# Altium PCB CAN2XG.PcbDoc (part 2 of 2)
Units mil, origin at the board's own origin, x right, y up, seen from the top; angles counter-clockwise.
Board outline 2559.06 x 1653.54 mil, 2 copper layers (Top Layer, Bottom Layer), stack 61.89 mil thick; 125 components, 90 nets, 389 pads, 453 vias.
Unrouted connection lines stored in the file: 85.
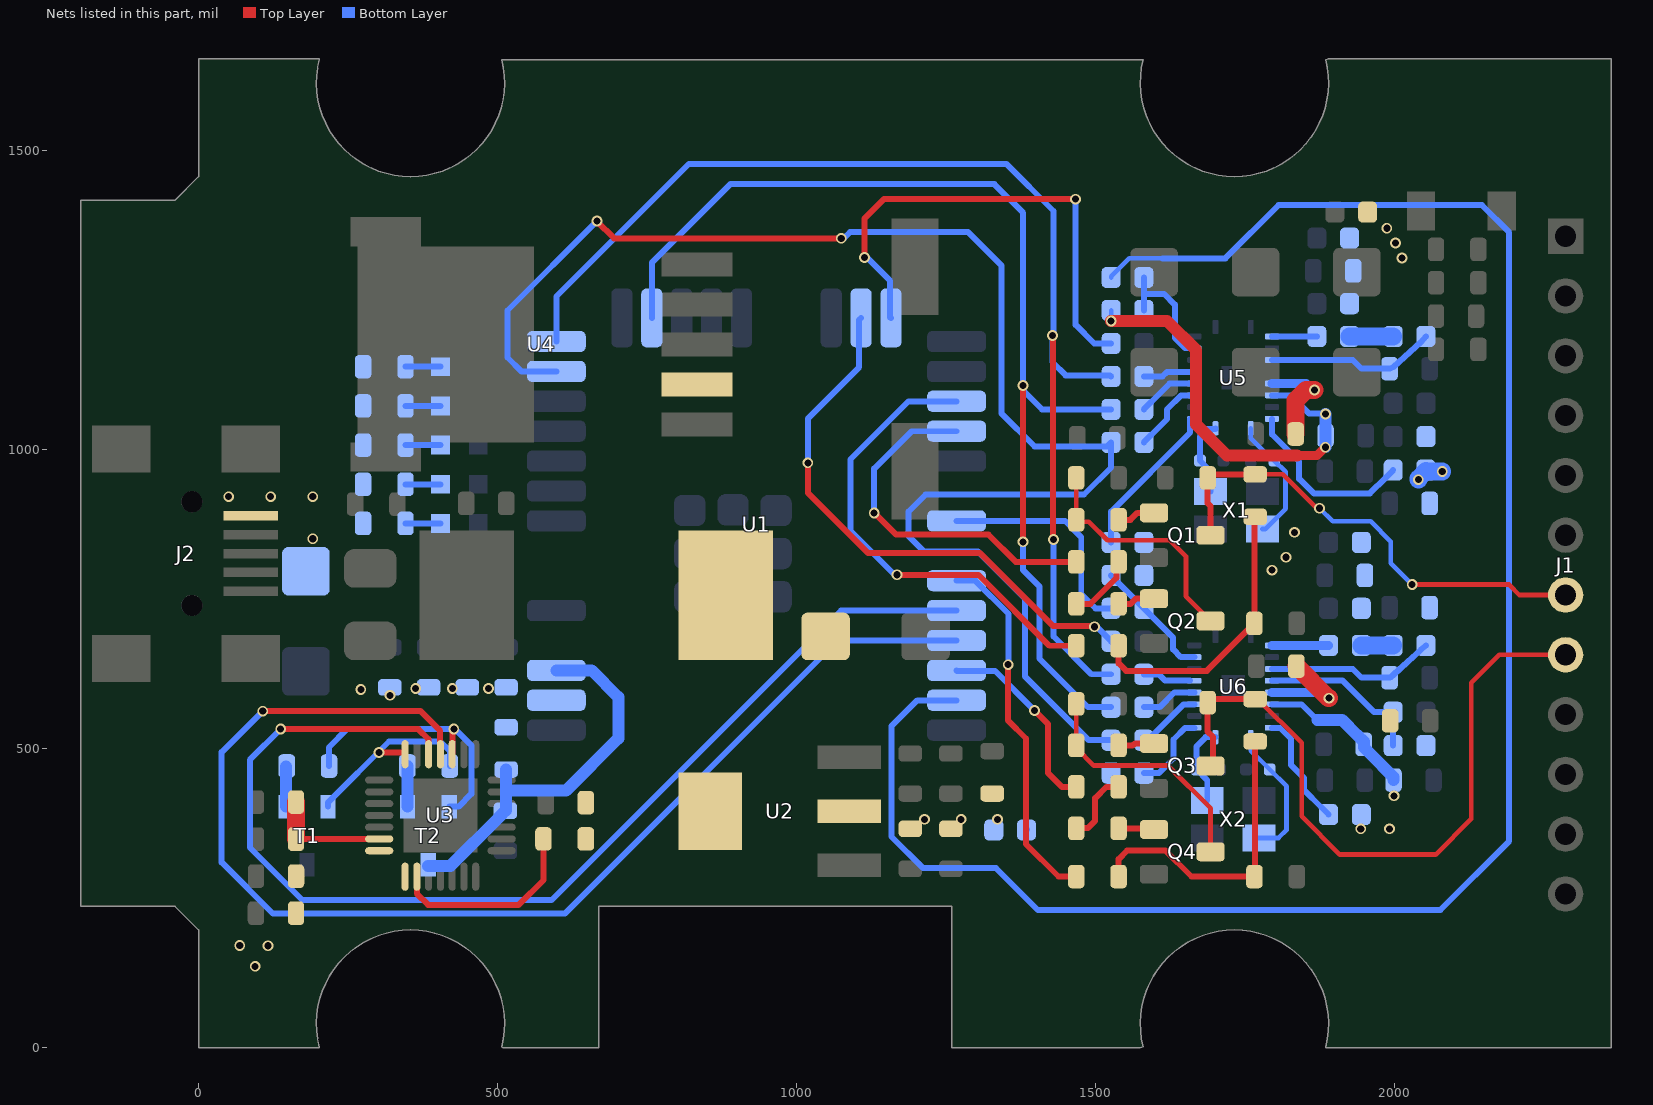
[diagram p2: the nets of this part, all layers, seen from the top]

## Via types
v1: diameter 17.99, hole 11.81, Top Layer to Bottom Layer, tented both sides, 453 vias

## Nets (pads, with @x,y where several pads share a name; then routed paths per layer and width w, separated by ;. In a path a pad name is that pad's centre, name@x,y a point inside that pad or via, vN(x,y) a via of type N, cw(c..) or ccw(c..) an arc to the next point about the centre after c; other vN are vias at no path point) (continued)
INH_1: R51.2 R58.2 U6.15 | length 280.4
  Bottom Layer w10: U6.15@1795.07,613.63 1913.27,613.63 1965.91,560.99 R58.2@1997.79,560.99 R51.2@1997.79,505.15
INT: R41.1 R46.1 U5.8 | length 209.7
  Bottom Layer w10: R46.1@1580.83,1232.84 1580.83,1260.41 ; R41.1@1580.83,1287.98 1580.83,1260.41 ; U5.8@1665.15,1169.68 1649.68,1169.68 1632.66,1186.7 1632.66,1242.49 1614.74,1260.41 1580.83,1260.41
INT_0: R41.2 U1.37 | length 3197
  Bottom Layer w7.87: R41.2@1526.11,1287.98 1526.11,1289.75 1556.36,1320 1611.61,1320
  Bottom Layer w10: U1.37@1267.5,580.86 1201.91,580.86 1158.6,537.56 1158.6,353.11 1211.56,300.15 1333.64,300.15 1403.49,230.29 2076.78,230.29 2191.79,345.3 2191.79,1363.45 2146.01,1409.22 1806.22,1409.22 1717,1320 1611.61,1320
INT_1: R52.1 R60.1 U6.8 | length 207.5
  Bottom Layer w10: R60.1@1526.11,789.85 1526.11,789.45 R52.1@1580.83,734.72 1629.81,685.74 1629.81,665.98 1642.79,653 U6.8@1665.15,653
INT_2: R52.2 U1.31 | length 374.9
  Bottom Layer w10: U1.31@1267.5,880.86 1448.93,880.86 1476.11,853.67 1476.11,758.57 1499.96,734.72 R52.2@1526.11,734.72
K_RX1: R5.1 R10.2 R13.1 | length 473.7
  Top Layer w10: R13.1@1538.58,672.13 1538.58,642.57 1551.15,630 1686.19,630 R10.2@1765.72,709.53 1765.72,886.58 R5.1@1767,887.86
K_RX2: R14.1 R19.1 R22.2 | length 506.7
  Top Layer w10: R14.1@1538.58,286.13 1538.58,315.26 1553.01,329.69 1616.88,329.69 1660.45,286.13 R22.2@1765.72,286.13 1767,287.41 R19.1@1767,512.04
K_TX1: R8.2 R11.1 | length 113.8
  Top Layer w10: R8.2@1467.72,742.3 1468.02,742 1491.41,742 1534.91,785.5 1534.91,808.8 R11.1@1538.58,812.48
K_TX2: R15.1 R21.2 | length 121.9
  Top Layer w10: R21.2@1467.72,366.8 1467.92,367 1487.15,367 1499.37,379.22 1499.37,417.22 1518.35,436.2 R15.1@1538.58,436.2
Kline1: J1.7 Q1.3 R2.1 R5.2 | length 803.7
  Top Layer w7.87: R5.2@1767,958.73 1813.27,958.73 1869.9,902.1 v1(1874.56,902.1) ; v1(2029.55,774.48) 2191.52,774.48 2209,757 J1.7@2286.17,757
  Top Layer w10: Q1.3@1692.39,856.94 1692.39,905.63 1687.58,910.44 R2.1@1687.58,952.82 1693.49,958.73 R5.2@1767,958.73
  Bottom Layer w7.87: v1(1874.56,902.1) 1896.51,880.15 1960.14,880.15 1993.91,846.38 1993.91,810.12 v1(2029.55,774.48)
Kline2: J1.8 Q3.3 R17.1 R19.2 | length 1161.8
  Top Layer w7.87: R19.2@1767,582.9 1771.31,582.9 1844.7,509.51 1844.7,387.08 1908.79,322.98 2068.99,322.98 2128.42,382.42 2128.42,610.22 2175.2,657 J1.8@2286.17,657
  Top Layer w10: Q3.3@1696.39,471.06 1696.39,519.76 1687.58,528.57 R17.1@1687.58,577 1693.29,582.71 1766.8,582.71 R19.2@1767,582.9
MISO: R39.1 U5.6 | length 87.5
  Bottom Layer w10: R39.1@1580.83,1122.54 1612.09,1122.54 1619.86,1130.31 U5.6@1665.15,1130.31
MISO_1: R55.1 U6.6 | length 82
  Bottom Layer w10: R55.1@1580.83,624.44 1581.04,624.23 1605.92,624.23 1616.44,613.71 U6.6@1658.34,613.71
MOSI: R38.1 U5.5 | length 102.3
  Bottom Layer w10: R38.1@1580.83,1067.4 1580.83,1067.56 1593.38,1080.12 1593.55,1080.12 1624.06,1110.63 U5.5@1665.15,1110.63
MOSI_1: R54.1 U6.5 | length 94.5
  Bottom Layer w10: R54.1@1580.83,569.3 1607.14,569.3 1631.78,593.94 U6.5@1665.15,593.94
NetC11_2: C11.2 C12.2 U3.6 | length 200.8
  Top Layer w10: C12.2@162.88,348.73 U3.6@301.77,348.73
  Top Layer w30: C12.2@162.88,348.73 C11.2@162.88,410.66
NetC25_2: C25.2 R34.1 R43.2
NetC33_2: C33.2 R50.1 R57.2
NetD3_1: D3.1 L6.1 U4.2
NetL1_2: L1.2 R1.2 | length 58.7
  Bottom Layer w10: R1.2@345.98,1007.7 L1.2@404.66,1007.7
NetL2_2: L2.2 R7.2 | length 58.7
  Bottom Layer w10: R7.2@345.98,1073.24 L2.2@404.66,1073.24
NetL3_2: L3.2 R9.2 | length 58.7
  Bottom Layer w10: R9.2@345.98,1138.77 L3.2@404.66,1138.77
NetL4_2: L4.2 R12.2 | length 58.7
  Bottom Layer w10: R12.2@345.98,876.64 L4.2@404.66,876.64
NetL5_2: L5.2 R16.2 | length 58.7
  Bottom Layer w10: R16.2@345.98,942.17 L5.2@404.66,942.17
NetQ1_1: Q1.1 R6.1 | length 64.2
  Top Layer w10: R6.1@1538.58,882.65 1558.11,882.65 1569.8,894.34 Q1.1@1597.91,894.34
NetQ2_1: Q2.1 R8.1 | length 62.9
  Top Layer w10: R8.1@1538.58,742.3 1558.72,742.3 1567.28,750.87 Q2.1@1597.91,750.87
NetQ2_3: Q2.3 R4.1 R6.2 | length 410.5
  Top Layer w8: R6.2@1467.72,876.31 R6.2@1467.72,882.65 ; R4.1@1467.72,952.82 R6.2@1467.72,882.65 ; Q2.3@1692.39,713.46 1651.13,754.72 1651.13,821.62 1624.34,848.41 1520,848.41 1488.81,879.6 1470.76,879.6 R6.2@1467.72,882.65
NetQ3_1: Q3.1 R20.1 | length 60.1
  Top Layer w10: R20.1@1538.58,505.6 1560.77,505.6 ccw(c1560.77,510.38) 1564.15,507 cw(c1567.69,503.46) 1567.69,508.46 Q3.1@1597.91,508.46
NetQ4_1: Q4.1 R21.1 | length 59.8
  Top Layer w10: R21.1@1538.58,366.8 1593.24,366.8 cw(c1593.24,360.2) Q4.1@1597.91,364.87
NetQ4_3: Q4.3 R18.1 R20.2 | length 408.8
  Top Layer w8: R18.1@1467.72,570.66 R20.2@1467.72,505.6 1467.72,501.26 1497.33,471.64 1621.18,471.64 1692.39,400.43 Q4.3@1692.39,327.46
NetR11_2: R11.2 U1.28 | length 609.5
  Top Layer w10: v1(1129.81,893.98) 1130.59,893.98 1166.59,857.98 1321.06,857.98 1366.56,812.48 R11.2@1467.72,812.48
  Bottom Layer w10: v1(1129.81,893.98) 1129.81,968.21 1192.46,1030.86 U1.28@1267.5,1030.86
NetR13_2: R13.2 U1.27 | length 794.6
  Top Layer w10: v1(1167.82,790.84) 1304.19,790.84 1422.9,672.13 R13.2@1467.72,672.13
  Bottom Layer w10: v1(1167.82,790.84) 1163.75,790.84 1089.81,864.77 1089.81,983.56 1187.19,1080.94 U1.27@1267.58,1080.94
NetR14_2: R14.2 U1.33 | length 614.1
  Top Layer w10: v1(1353.91,640.4) 1353.91,546.88 1383.81,516.98 1383.81,340.34 1438.02,286.13 R14.2@1467.72,286.13
  Bottom Layer w10: U1.33@1267.58,780.94 1299.08,780.94 1354.51,725.52 1354.51,641 v1(1353.91,640.4)
NetR15_2: R15.2 U1.36 | length 328.8
  Top Layer w10: v1(1397.81,563.98) 1420.81,540.98 1420.81,458.98 1443.59,436.2 R15.2@1467.72,436.2
  Bottom Layer w10: U1.36@1267.58,630.94 1268.71,629.81 1331.97,629.81 v1(1397.81,563.98)
NetR23_1: R23.1 T1.1 | length 67.1
  Bottom Layer w20: T1.1@146.26,402.91 R23.1@146.26,470.02
NetR24_1: R24.1 T2.1 | length 68
  Bottom Layer w20: T2.1@349.19,402.98 R24.1@349.19,471
NetR26_2: R26.2 U3.9 | length 334.1
  Top Layer w10: U3.9@365.02,286 365.02,257.43 383.8,238.66 535.2,238.66 576.72,280.18 R26.2@576.72,349
NetR32_1: R32.1 R33.2 | length 72.9
  Bottom Layer w30: R33.2@1924.85,1189.36 R32.1@1997.79,1189.36
NetR48_1: R48.1 R49.2 | length 53.3
  Bottom Layer w30: R49.2@1944.45,672.68 R48.1@1997.79,672.68
OSC1: C26.2 U5.20 X1.1 | length 212.8
  Bottom Layer w7.87: U5.20@1759.64,1035.83 1759.64,1019.02 1791.53,987.13 1793.71,987.13 C26.2@1799.01,981.83 1817.76,963.08 1817.76,901.32 1783.78,867.33 X1.1@1778.86,867.33
OSC2: C27.2 U5.1 X1.3 | length 131.9
  Bottom Layer w10: X1.3@1692.24,930.33 1692.24,964.11 C27.2@1674.53,981.83 1674.53,1022.36 1686.44,1034.27 1700.5,1034.27 1700.58,1034.35 U5.1@1700.58,1035.83
OSC_1: C34.2 U6.20 X2.1 | length 231.4
  Bottom Layer w7.87: U6.20@1759.64,519.14 1759.64,496.68 C34.2@1791.17,465.14 1819.44,436.88 1819.44,364.09 1806,350.65 X2.1@1773.46,350.65
OSC_2: C35.2 U6.1 X2.3 | length 135.4
  Bottom Layer w10: X2.3@1686.84,413.64 1686.84,447.43 C35.2@1669.13,465.14 1669.13,503.98 1684.29,519.14 U6.1@1700.58,519.14
RESET: C5.2 R3.1 T2.3 U1.3 | length 651.6
  Bottom Layer w20: T2.3@383.84,304.12 421.17,304.12 503.46,386.41 503.46,386.59 C5.2@513.82,396.94 ; C5.2@514.15,397.09 514.15,430 ; R3.1@514.15,465.09 514.15,430 ; U1.3@598.29,630.94 657.21,630.94 701.93,586.22 701.93,517.26 614.67,430 514.15,430
RST: R31.1 U5.19 | length 302.6
  Bottom Layer w10: U5.19@1795.07,1051.57 1795.07,1025.79 1840.61,980.25 1840.61,951.36 1865,926.97 1958.76,926.97 1985.07,953.28 1985.23,953.28 1997.79,965.83 R31.1@1997.79,965.99
RST_1: R47.1 U6.19 | length 192.3
  Bottom Layer w10: U6.19@1795.07,534.89 1808.58,534.89 1827.17,516.29 1827.17,472.48 1848.93,450.72 1848.93,430.62 1877.01,402.54 1877.17,402.54 1889.72,389.98 R47.1@1889.72,389.82
SCK: R37.1 U5.4 | length 126.6
  Bottom Layer w10: R37.1@1580.83,1012.26 1580.83,1012.42 1593.38,1024.98 1593.55,1024.98 1619.55,1050.98 1619.55,1067.41 1643.09,1090.94 U5.4@1665.15,1090.94
SCK_1: R53.1 U6.4 | length 109.2
  Bottom Layer w10: R53.1@1580.83,514.16 1587.31,514.16 1647.41,574.26 U6.4@1665.15,574.26
SPI_CLK: R37.2 R53.2 U1.13 | length 2562.6
  Top Layer w10: v1(666.07,1382.32) 694.91,1353.49 v1(1074.74,1353.49)
  Bottom Layer w10: U1.13@598.29,1130.94 539.83,1130.94 516.53,1154.24 516.53,1232.79 v1(666.07,1382.32) ; v1(1074.74,1353.49) 1078.98,1353.49 1089.38,1363.89 1287.03,1363.89 1342.61,1308.3 1342.61,1060.87 1397.88,1005.6 1519.44,1005.6 R37.2@1526.11,1012.26 1526.11,970.27 1480.81,924.98 1215.81,924.98 1187.45,896.62 1187.45,855.33 1212.81,829.98 1303.05,829.98 1382.29,750.74 1382.29,620.34 1488.47,514.16 R53.2@1526.11,514.16
SPI_CS: R40.2 U1.24 | length 835
  Top Layer w10: v1@1113.77,1322.21 1113.77,1386.78 1145.93,1418.94 v1(1466.6,1418.94)
  Bottom Layer w10: v1(1113.77,1321.59) 1117.58,1321.59 1156.64,1282.52 1156.64,1221.44 U1.24@1157.85,1220.23 ; v1(1466.6,1418.94) 1466.6,1208.93 1497.85,1177.68 R40.2@1526.11,1177.68
SPI_CS_0: R56.2 U1.23 | length 939.4
  Top Layer w10: v1(1018.81,977.98) 1018.81,927.98 1119.25,827.54 1306.66,827.54 1429.28,704.92 1497.42,704.92 v1(1498.42,703.92)
  Bottom Layer w10: v1(1018.81,977.98) 1018.81,1051.98 1104.81,1137.98 1104.81,1217.19 U1.23@1107.85,1220.23 ; v1(1498.42,703.92) 1501.93,703.92 1526.11,679.75 R56.2@1526.11,679.58
SPI_MISO_0: R39.2 R55.2 U1.14 | length 2019.1
  Top Layer w10: v1(1428.23,1191.01) 1429.02,1190.22 1429.02,850.77 v1(1429.81,849.98)
  Bottom Layer w10: U1.14@598.29,1180.94 598.29,1256.14 820.13,1477.98 1350.81,1477.98 1429.66,1399.12 1429.66,1192.45 v1(1428.23,1191.01) 1427.83,1190.61 1427.83,1146.71 1450.12,1124.42 1524.23,1124.42 R39.2@1526.11,1122.54 ; v1(1429.81,849.98) 1429.81,687.57 1492.94,624.44 R55.2@1526.11,624.44
SPI_MOSI_0: R38.2 R54.2 U1.16 | length 1866.6
  Top Layer w10: v1(1378.81,845.98) v1(1378.81,1107.31)
  Bottom Layer w10: U1.16@757.94,1220.31 757.94,1312.79 889.13,1443.98 1330.81,1443.98 1378.81,1395.98 v1(1378.81,1107.31) 1378.81,1098.98 1410.39,1067.4 R38.2@1526.11,1067.4 ; v1(1378.81,845.98) 1378.81,798.65 1405.99,771.47 1405.99,650.8 1487.49,569.3 R54.2@1526.11,569.3
UART_0_DTR: R24.2 T1.2 U3.28 | length 331.2
  Top Layer w10: v1(301.48,493.67) 344.5,493.67 345.34,492.83 U3.28@345.34,490.72
  Bottom Layer w10: T1.2@216.26,402.91 216.26,409.8 318.42,511.96 404.49,511.96 420.06,496.4 R24.2@420.06,471
UART_0_RTS: R23.2 T2.2 U3.24 | length 461.4
  Top Layer w10: U3.24@424.08,490.72 424.43,491.07 424.43,528.43 426.83,530.84 v1(426.83,533)
  Bottom Layer w10: R23.2@218.11,471 218.11,502.24 248.87,533 v1(426.83,533) ; T2.2@419.19,402.98 434.75,402.98 456.17,424.4 456.17,505.53 v1@429.1,532.6
UART_0_RXD: U1.34 U3.26 | length 1917.7
  Top Layer w10: v1(137.16,532.84) 137.4,532.6 367.55,532.6 384.36,515.79 384.36,491.07 U3.26@384.71,490.72
  Bottom Layer w10: v1(137.16,532.84) 85.7,481.39 85.7,334.78 173.69,246.79 590.24,246.79 1074.39,730.94 U1.34@1267.58,730.94
UART_0_TXD: U1.35 U3.25 | length 2084.5
  Top Layer w10: v1(107.3,562.7) 371.24,562.7 404.05,529.89 404.05,491.07 U3.25@404.39,490.72
  Bottom Layer w10: v1(107.3,562.7) 38.63,494.03 38.63,309.93 124.36,224.19 612.34,224.19 1069.09,680.94 U1.35@1267.58,680.94
VBAT: C23.2 C24.2 C31.2 C32.2 R32.2 R35.1 R36.2 R48.2 R51.1 U5.14 U6.14 | length 567.7
  Bottom Layer w10: U6.14@1795.07,633.31 1930.15,633.31 1944.72,618.74 C31.2@1991.75,618.74 ; U5.14@1795.07,1150 1930.15,1150 1944.72,1135.43 C23.2@1991.75,1135.43 1998.64,1138.62 2044.54,1180.08 R32.2@2052.51,1189.36 ; C31.2@1992.74,618.69 1998.64,624.01 2044.54,665.48 R48.2@2052.51,672.68
  other v1: 2012.38,1320.78 2001.67,1345.57 1987.12,1370.34
VCC: C1.2 C2.2 C3.2 C4.2 C7.2 C9.2 C10.2 R1.1 R3.2 R7.1 R9.1 R12.1 R16.1 R25.2 R26.1 R42.1 U1.2 U2.2 U2.4
  other v1: 1213.92,381.79 1275.27,381.79 1335.93,381.79 320.04,589.28 271.21,598.8 363,600.75 424.35,600.75 485.01,600.75
VCCO: C36.2 U5.16 | length 170.2
  Top Layer w30: C36.2@1834.61,1026.25 1834.61,1082.43 1852.19,1100 v1(1866,1100)
  Bottom Layer w15: U5.16@1795.07,1110.63 1851.97,1110.63 1862.6,1100 v1(1866,1100)
VCCO_0: C37.2 U6.16 | length 175.7
  Top Layer w30: C37.2@1835.84,638.01 1889.46,584.39 v1(1890.23,584.39)
  Bottom Layer w15: U6.16@1795.07,593.94 1877.28,593.94 1886.83,584.39 v1(1890.23,584.39)
VDD: C13.2 C14.2 D1.2 J2.1 U3.7 U3.8
  other v1: 94.66,136.06 68.81,170.74 116.1,170.42 190.88,851.1 50.21,921.43 120.54,921.43 190.88,921.43
VIO: C20.2 C21.2 C28.2 C29.2 R31.2 R42.2 R45.2 R46.2 R47.2 R59.2 R60.2 U5.17 U6.17 | length 1013.8
  Top Layer w15: 1837.19,989.9 1870.09,989.9 v1(1884.25,1004.06)
  Top Layer w20: v1(1526.11,1215.12) 1619.75,1215.12 1667.93,1166.93 1667.93,1042.32 1719.73,990.52 1836.58,990.52
  Bottom Layer w7.87: v1(1526.11,1215.12) R46.2@1526.11,1232.84
  Bottom Layer w10: R42.2@1384.51,363.99 R42.2@1385.52,365 ; U6.17@1795.07,574.26 1844.53,574.26 1870.81,547.98 ; U5.17@1795.07,1090.94 1826.62,1090.94 1856.82,1060.75 1883.71,1060.75 v1(1884.66,1059.8)
  Bottom Layer w20: 1870.81,547.98 1912.29,547.98 1938.52,521.74 1938.81,521.74 1948.61,511.94 C29.2@1948.61,507.06 ; v1(1884.25,1004.06) 1884.25,1023.18 C21.2@1884.66,1023.6 v1(1884.66,1059.8) ; C29.2@1948.61,502.17 1958.42,492.37 1998.35,452.44 C20.2@1998.35,447.48
  Bottom Layer w30: v1(2039.78,949.85) 2039.78,951.49 2052.73,964.44 2053.46,963.71 v1(2079.8,963.71)
  other v1: 1943.54,365.89 1991.77,365.96 1999.08,421.19 1795.17,798.49 1818.55,820.15 1832.71,861.8
WAKE: R33.1 U5.12 | length 75.1
  Bottom Layer w10: U5.12@1795.07,1189.37 R33.1@1870.12,1189.36
WAKE_1: R49.1 U6.12 | length 94.7
  Bottom Layer w15: U6.12@1795.07,672.68 R49.1@1889.72,672.68
WKR: R45.1 U5.2 | length 268.1
  Bottom Layer w10: R45.1@1526.11,844.99 1526.11,896.45 1658.34,1028.69 1658.34,1051.5 1658.42,1051.57 U5.2@1665.15,1051.57
WKR_1: R59.1 U6.2 | length 134.3
  Bottom Layer w10: R59.1@1580.83,459.02 1580.89,459.08 1605.92,459.08 1630.48,483.64 1630.48,515.32 1650.04,534.89 U6.2@1665.15,534.89
pads on no net: J1.9 J1.10 J2.10 J2.11 U1.17 U1.18 U1.19 U1.22 U1.26 U1.29 U3.1 U3.2 U3.10 U3.11 U3.12 U3.13 U3.14 U3.15 U3.16 U3.17 U3.19 U3.20 U3.21 U3.22 U3.23 U3.27 U5.3 U5.9 U6.3 U6.9

## Polygon pours and split planes (outlines as drawn)
GND on Top Layer "GND_L01_P030" (solid, remove dead copper, pour order 30): 0,0 0,196.85 -39.37,236.22 -196.85,236.22 -196.85,1417.32 -39.37,1417.32 0,1456.69 0,1653.54 201.55,1653.54 201.55,1652.37 ccw(c354.33,1614.17) 507.11,1652.37 1579.51,1652.37 ccw(c1732.28,1614.17) 1885.06,1652.37 1889.76,1653.54 2362.2,1653.54 2362.2,0 1885.06,0 1885.06,1.18 ccw(c1732.28,39.37) 1579.51,1.18 1574.8,0 1259.84,0 1259.84,236.22 669.29,236.22 669.29,0 508.28,0 507.11,1.18 ccw(c354.33,39.37) 201.55,1.18 201.55,0
+12 on Top Layer "+12_L01_P001" (solid, pour order 1): 1843.57,1252.88 1879,1288.31 1879,1328.33 1916,1365.33 1916,1413.21 1913.95,1415.26 1885.21,1415.26 1883,1413.05 1883,1364 1854.38,1335.37 1854.38,1301.11 1852.14,1298.87 1810.18,1298.87 1807.41,1301.64 1807.41,1342.21 1802.14,1347.49 1293.82,1347.49 1254.37,1386.93 1158.62,1386.5 1156.65,1386.5 1148.81,1378.66 1148.81,1265.66 944.77,1061.62 793.15,1061.62 793.15,1023 999.87,1023 1202.38,1225.51 1447.84,1225.51 1454.46,1218.88 1453.71,1088.56 1508.07,1034.19 1508.07,942.08 1517.26,932.88 1632.98,932.88 1632.98,970.36 1627.32,976.02 1553.23,975.88 1551.59,977.52 1551.59,1033.9 1486.87,1098.62 1486.87,1239.68 1500.07,1252.88
VIO on Top Layer "VIO_L01_P020" (solid, pour order 20): 1935.29,950.23 1942.04,943.48 1942.04,902.39 1951.47,892.95 2013.79,892.95 2023.01,902.17 2023.09,976.28 2026.91,980.1 2090.08,980.1 2097.65,972.53 2097.65,871.65 2091.88,865.88 1866.88,865.88 1844.81,843.82 1844.81,778.87 1914.68,709 2010.33,709 2016.81,702.52 2016.81,606.87 2016.81,420.98 2016.81,357.78 2009.81,350.78 1933.5,350.78 1927.81,356.48 1927.81,402.98 1978,453.16 1978,669 1964.2,682.8 1903.41,682.8 1869,717.2 1835.23,750.98 1782.41,750.98 1779.45,753.94 1779.45,843.27 1822.18,886 1886.99,886 1912,911.01 1912,937 1865,984 1865,1068.02 1866.47,1069.48 1898.11,1069.48 1903.41,1064.19 1903.41,982.12
VCC on Top Layer "VCC_L01_P004" (solid, pour order 4): 1305.11,428.13 1305.11,433.81 1310.56,439.26 1342.84,439.26 1348.15,433.94 1348.15,349.02 1347.13,348 945.15,348 927.65,330.5 634.68,330.5 626.65,338.54 626.65,433.5 494.95,565.2 488.43,571.64 253.9,571.64 246.54,579 246.54,619.99 252.55,626 540.15,626 696.15,470 916.03,470 971.03,415 1140.83,415 1159.83,396 1272.98,396
VDD on Top Layer "tga" (solid, pour order 10): 149.15,209.18 124.99,185.02 59.68,185.02 54.31,179.65 54.31,119.72 57.98,116.05 173,116.05 176.65,119.7 176.66,237.65 201.38,262.38 347.79,262.38 351.23,265.82 351.23,272.13 351.23,306.17 347.79,309.62 345.34,309.62 325.65,329.31 325.65,331.75 322.19,335.21 279.36,335.21 250.64,306.49 151.81,306.49 149.15,303.83
VBAT on Top Layer "VBAT_L01_P026" (solid, pour order 26): 2008.42,1355.98 2006.81,1357.58 2006.81,1415.2 2004.03,1417.98 1939.35,1417.98 1936.87,1415.49 1936.87,1354.33 1939.23,1351.98 1983.81,1351.98 1989.81,1345.98 1989.81,1309.55 1992.38,1306.98 2027.45,1306.98 2029.81,1309.35 2029.81,1354.98 2028.81,1355.98
ADC_INPUT_1 on Top Layer "ADC_INPUT_1_L01_P025" (solid, pour order 25): 2159.06,1147.15 2158.05,1146.14 2119.4,1146.14 2117.65,1147.89 2117.65,1335.59 2086.75,1366.5 2020.57,1366.5 2020.57,1451.04 2053.61,1451.04 2159.06,1345.59
NetD3_1 on Top Layer "NETD3_1_L01_P003" (solid, pour order 3): 705.7,1117.85 705.7,735.22 800.92,640 1107.15,640 1107.15,716.4 959.55,864 789.54,864 773.15,880.39 773.15,1066 795.15,1088 913.15,1088 913.15,1131.15 718.99,1131.15
+5 on Top Layer "+5_L01_P000" (solid, pour order 0): 149.64,706.95 155.21,712.52 364.63,712.52 369.15,717.03 369.15,851.32 365.47,855 314.34,855 312.15,857.19 312.15,939.39 315.76,943 381.15,943 423.15,985 569.64,985 573.04,988.4 573.04,1265.7 577.34,1270 916.19,1270 919.15,1267.03 919.15,1220.99 917.16,1219 630.19,1219 620.89,1209.7 620.89,954.94 616.28,950.33 480.14,950.33 478.15,948.34 478.15,867.65 481.31,864.49 526.49,864.49 530.77,860.2 530.77,825.41 787.19,569 1123.15,569 1172.15,519 1280.15,519 1282.15,517 1282.15,466 1280.15,464 1023.15,464 987.86,499.29 709.94,499.29 562.23,647 240.51,647 232.93,639.43 232.93,594.45 225.28,586.79 155.27,586.79 149.64,592.41
"BATT +" on Top Layer "BATT_+_L01_P024" (solid, pour order 24): 2046.14,1185.73 2080.27,1185.73 2083,1183 2083,1127.38 2090.98,1119.4 2199.4,1119.4 2273,1193 2324.85,1192.85 2327.64,1190.05 2327.64,1113.1 2311.35,1096.81 2069.12,1096.81 1979.24,1186.69 1831.3,1186.69 1807.41,1162.8 1807.41,1094.92 1801.59,1089.09 1733.71,1089.09 1727.88,1094.92 1727.88,1207.5 1738.39,1218.01 2013.86,1218.01
"BATT -" on Top Layer "BATT_-_L01_P023" (solid, pour order 23): 1897.36,1164.37 1903.18,1170.2 1971.18,1170.2 2058.46,1082.92 2326.62,1082.92 2326.62,1016.69 2324.18,1014.25 2045.91,1014.25 1971.07,1089.09 1903.21,1089.09 1897.36,1094.94
VDD on Top Layer "VDD_L01_P016" (solid, pour order 16): 27.23,881.33 26.63,881.93 26.63,939.06 27.05,939.48 219.15,939.48 221.12,937.51 221.12,836.27 217.92,833.07 167.72,833.07 166.55,834.24 166.55,879.81 165.03,881.33
GND on Bottom Layer "GND_L02_P028" (solid, remove dead copper, pour order 28): 0,0 0,196.85 -39.37,236.22 -196.85,236.22 -196.85,1417.32 -39.37,1417.32 0,1456.69 0,1653.54 201.55,1653.54 201.55,1652.37 ccw(c354.33,1614.17) 507.11,1652.37 1579.51,1652.37 ccw(c1732.28,1614.17) 1885.06,1652.37 1889.76,1653.54 2362.21,1653.54 2362.21,0 1885.06,0 1885.06,1.17 ccw(c1732.28,39.37) 1579.51,1.17 1574.8,0 1259.84,0 1259.84,236.22 669.29,236.22 669.29,0 508.29,0 507.11,1.17 ccw(c354.33,39.37) 201.55,1.17 201.55,0
VIO on Bottom Layer "VIO_L02_P018" (solid, pour order 18): 2012.13,258.13 2008.59,254.58 1459.42,254.58 1368.11,345.9 1368.11,381.71 1369.42,383.02 1369.42,474.24 1373.16,477.98 1537.3,477.98 1542.52,472.77 1542.52,325.28 1560.79,307.01 1926.02,307.01 1928.49,309.49 1928.49,404.03 1932,407.54 1982.34,407.54 1984.57,409.76 1984.57,463.13 1988.6,467.17 2008.09,467.17 2012.13,463.13
VDD on Bottom Layer "VDD_L02_P015" (solid, pour order 15): -105.7,858.74 -101.69,862.77 29.85,863.49 38.23,871.91 38.23,946.04 41.76,949.57 217.03,949.57 222.94,943.66 222.94,760.86 218.19,756.11 132.43,756.11 100.3,788.15 -49.63,788.15 -62.89,774.89 -62.89,380.68 136.56,181.23 136.56,118.1 130.7,112.24 47.82,112.24 42.45,117.61 42.45,215.93 -108.36,366.74
NetC33_2 on Bottom Layer "NETC33_2_L02_P022" (solid, pour order 22): 1962.65,865.44 1964.6,863.49 1964.6,713.12 1960.56,709.09 1931.75,709.09 1928.76,712.07 1928.76,863.95 1930.25,865.44
NetC25_2 on Bottom Layer "NETC25_2_L02_P027" (solid, pour order 27): 1908.9,1367.04 1913.57,1371.71 1941.67,1371.71 1944.73,1368.65 1944.73,1228.57 1940.7,1224.54 1910.46,1224.54 1908.9,1226.1
VBAT on Bottom Layer "VBAT_L02_P006" (solid, pour order 6): 2092.47,1302.88 2092.47,1208.47 2091.08,1207.08 2037.51,1207.08 2036.57,1206.14 2036.57,1173.66 2038.4,1171.82 2099.43,1171.82 2114.73,1156.53 2114.73,1067.94 2086.34,1039.55 2037.88,1039.55 2036.57,1038.24 2036.57,1006.17 2038.62,1004.12 2100.05,1004.12 2105.69,998.47 2105.69,937.04 2103.49,934.84 2053.86,934.84 2044.84,925.82 2044.84,894.52 2048.87,890.48 2086.73,890.48 2095.32,881.9 2095.32,765.49 2087.52,757.68 2042.84,757.68 2036.57,751.42 2036.57,659.63 2041.24,654.96 2092.47,654.96 2105.69,641.74 2105.69,527.38 2101.18,522.87 2040.84,522.87 2036.57,518.59 2036.57,492.04 2041.18,487.43 2115.99,487.43 2135.31,506.76 2135.31,1375.87 2131.41,1379.77 1977.68,1379.77 1975.26,1377.35 1975.26,1309.19 1976.54,1307.91 2087.43,1307.91
VIO on Bottom Layer "VIO_L02_P021" (solid, pour order 21): 1604.34,860.81 1599.74,865.41 1568.31,865.41 1564.88,861.99 1564.88,776.8 1569.54,772.14 1597.93,772.14 1610.29,784.5 1801.5,784.5 1848,831 1848,879 1844.2,882.8 1819.01,882.8 1816,879.78 1816,838 1811,833.34 1606.19,833.34 1604.34,835.19
VCC on Bottom Layer "VCC_L02_P017" (solid, pour order 17): 1199.67,398.81 1201.46,400.6 1349.07,400.6 1349.8,399.88 1349.8,347.55 1348.52,346.28 1202.57,346.28 1199.67,349.18
+5 on Bottom Layer "+5_L02_P012" (solid, pour order 12): 132.5,588.29 138.8,581.99 219.91,581.99 236.36,598.43 236.36,709.66 233.02,713 140.75,713 132.5,704.75
VCC on Bottom Layer "VCC_L02_P011" (solid, pour order 11): 251.01,1157.5 254.3,1160.79 285.87,1160.79 288.9,1157.77 288.9,636.23 299.16,626 521.15,626 548.49,598.66 642.32,598.66 647.5,593.47 647.5,568.42 642.32,563.23 540.15,563.23 533.84,556.68 533.84,525.8 530.22,522.18 496.23,522.18 491.9,526.51 492.15,526.76 492.15,555 474.6,572.55 445.86,572.55 254.84,572.55 251.01,576.38

## Keep-outs
Keep-Out Layer:
  lines w10: 0,1651.19 0,1456.69 -39.37,1417.32 -196.85,1417.32 ; 0,1653.54 201.55,1653.54 ; 201.55,0 0,0 0,157.48 0,196.85 -39.37,236.22 -196.85,236.22 -196.85,1417.32 ; 201.55,1.17 cw(c354.33,39.37) 507.11,1.17 ; 201.55,1652.37 ccw(c354.33,1614.17) 507.11,1652.37 1579.51,1652.37 ccw(c1732.28,1614.17) 1885.06,1652.37 ; 508.29,0 669.29,0 669.29,236.22 1259.84,236.22 1259.84,0 1574.8,0 ; 1579.51,1.17 cw(c1732.28,39.37) 1885.06,1.17 ; 1885.06,0 2362.21,0 2362.21,1653.54 1889.76,1653.54 ; -196.85,1417.32 -196.85,1417.32

## Other copper
Top Layer:
  pour cut-out: 1940.89,1341.78 1907.52,1341.78 1901.03,1335.29 1901.03,1337.2 1908.9,1345.07 1933.38,1345.07 1933.68,1344.77
  pour cut-out: 2337.84,1013.49 2333.83,1009.48 2333.83,1107.55 2337.84,1113.1
  pour cut-out: 1506.62,776.68 1506.62,824.11 1475.84,854.89 1482.25,854.89 1510.31,826.83 1510.31,771.66 1505.2,766.55 1495.16,766.55 1378.64,766.55 1374.49,770.71 1374.49,774.49 1377.68,771.3 1501.24,771.3
  pour cut-out: 1474.61,981.82 1485.59,981.82 1498.23,994.47 1498.23,980.86 1494.45,977.08 1486.06,977.08
  pour cut-out: 1460.83,783.48 1448.58,783.48 1429.81,802.25 1434.85,802.25 1448.87,788.22 1456.08,788.22
  pour cut-out: 1580.58,775.91 1561.67,794.82 1561.67,829.81 1570.87,839.01 1570.65,839.24 1568.19,839.24 1560.07,831.12 1560.07,792.46 1577.28,775.26
  pour cut-out: 1630.02,381.59 1630.02,330.97 1624.07,336.91 1624.07,380.23 1618.62,385.79 1560.44,385.79 1545.47,395.8 1615.81,395.8
  pour cut-out: 1515.49,298.92 1515.49,354 1525.49,344 1525.49,315.63 1520.24,310.38
  pour cut-out: 1545.47,407.2 1517.71,407.2 1509.57,399.07 1509.57,412 1509.62,411.95 1520.24,411.95
  pour cut-out: 1754.21,559.81 1712.99,559.81 1705.93,552.75 1705.93,524.64 1701.17,529.4 1701.17,561.95 1711.51,572.3 1711.55,572.26 1738.75,572.26
  pour cut-out: 1841.51,730.27 1841.17,729.92 1807.09,729.92 1803.7,726.53 1803.7,691.23 1793,680.53 1751.14,680.53 1745.15,674.54 1745.15,678.19 1748.71,681.75 1790.57,681.75 1800,691.18 1800,729.39 1804.13,733.52 1838.48,733.52
  pour cut-out: 482.9,393.15 540.11,393.15 566.87,419.91 566.62,420.17 566.62,433.81 570.66,437.84 610.37,437.84 606.72,441.5 559,441.5 559,422.31 558.59,422.31 538.51,402.23 483.22,402.23 483.22,461.33 477.39,467.16 337.52,467.16 325.83,455.46 325.83,426.05 321.19,421.83 283.36,421.83 278.5,426.69 278.5,503.04 254.44,527.11 229.43,527.11 229.19,527.35 226.55,524.71 226.55,522.54 246.74,522.54 269.58,499.7 269.58,420.97 277.24,413.31 335.1,413.31 342.78,420.99 342.78,449.67 343.08,449.98 465.56,449.98 465.56,410.5
  pour cut-out: 325.65,403.95 342.36,387.24 342.36,326.33 465.33,326.33 466.01,327.01 466.01,365.5 475,374.49 483.34,366.15 483.34,328.8 464.12,309.58 464.08,309.62 341.91,309.62 325.65,325.87
  pour cut-out: 1418.51,1179.65 1381.37,1216.8 1378.81,1216.8 1378.81,1217.96 1386.52,1217.96 1408.3,1196.18
  pour cut-out: 1545.47,534.6 1579.5,534.6 1580.58,533.51 1570.95,523.88 1561.15,523.88 1560.44,524.59
  pour cut-out: 1474.61,604 1490.81,587.79 1490.81,520.23 1486.53,524.5 1486.53,587.5 1476.72,597.32 1453.28,597.32 1431.82,575.85 1397.88,575.85 1394.85,578.88 1429.09,578.88 1454.2,604
  pour cut-out: 1531.69,546 1628.32,546 1635.06,552.75 1558.93,552.75 1556.93,550.75
  pour cut-out: 1444.63,940.03 1444.63,895.45 1458.54,909.36 1458.54,924.28
  pour cut-out: 1486.2,642.66 1490.84,638.02 1499.24,636.16 1490.81,644.59 1490.81,654.1 1490.81,675.22 1528.86,713.28 1609.15,713.28 1626.26,730.39 1619.8,730.39 1606.69,717.28 1556.16,717.28 1527.96,717.28 1486.2,675.51
  pour cut-out: 1531.37,635.36 1515.49,651.24 1515.49,656.68 1528.39,643.79
  pour cut-out: 1444.63,379.59 1444.63,420.74 1436.38,428.99 1441.64,428.99 1449.37,421.26 1449.37,384.34
  pour cut-out: 1709.72,881.98 1705.93,885.77 1705.93,928.57 1712.57,935.22 1823.92,935.22 1819.1,940.03 1710.67,940.03 1700.67,930.03 1700.67,883.9 1702.59,881.98
  pour cut-out: 141.43,809.34 154.79,822.7 178.4,822.7 170.77,830.34 148.06,830.34 141.61,823.89
Bottom Layer:
  pour cut-out: 1744.87,698.28 1745.02,698.28 1745.5,697.8 1745.5,668.22 1772.19,668.22 1774.69,665.72 1774.69,542.28 1774.9,542.06 1773.01,540.17 1746.21,540.17 1745.5,539.46 1745.5,505.94 1744.87,506.56 1744.87,540.79 1772.26,540.79 1773.42,541.95 1773.42,665.6 1772.24,666.78 1744.87,666.78
  pour cut-out: 1714.72,698.18 1715.35,697.55 1715.35,666.78 1688.12,666.78 1686.89,665.55 1686.89,541.78 1687.87,540.79 1715.35,540.79 1715.35,510.02 1714.72,509.4 1714.72,533.56 1708.32,539.96 1687.58,539.96 1686.05,541.49 1686.05,665.6 1688.26,667.81 1714.72,667.81

## Silkscreen, mask and mechanical layers (free items; w line width, h text height)
Bottom Overlay:
  text "autopeepal" at 1303.61,1442.54 h100
  text "CAN2X_FD V2.0" at 1304.95,1374 h60
  text "L1" at 2245.21,1326.03 h27
  text "H1" at 2245.21,1253.91 h27
  text "+" at 2201.61,1144.53 h27
  text "BAT" at 2245.21,1101 h27
  text "-" at 2201.41,1034 h27
  text "BAT" at 2245.21,999 h27
  text "L2" at 2245.21,938 h27
  text "H2" at 2245.21,842 h27
  text "KL1" at 2245.21,737 h27
  text "KL2" at 2245.21,637 h27
  text "GND" at 2173.23,371 h27 r180
  text "GND" at 2173.23,276 h27 r180
Top Assembly:
  lines w5: -196.85,1417.32 -39.37,1417.32 0,1456.69 0,1653.54 201.55,1653.54 201.55,1652.37 ccw(c354.33,1614.17) 507.11,1652.37 ; -196.85,1417.32 -196.85,1417.32 ; -196.85,1417.32 -196.85,236.22 -39.37,236.22 0,196.85 0,0 201.55,0 201.55,1.17 cw(c354.33,39.37) 507.11,1.17 508.29,0 669.29,0 669.29,236.22 1259.84,236.22 1259.84,0 1574.8,0 1579.51,1.17 cw(c1732.28,39.37) 1885.06,1.17 1885.06,0 2362.21,0 2362.21,1653.54 1889.76,1653.54 1885.06,1652.37 cw(c1732.28,1614.17) 1579.51,1652.37 ; 507.11,1652.37 1579.51,1652.37 ; 507.11,1652.37 507.11,1652.37 ; 1579.51,1652.37 1579.51,1652.37

## Dimensions
0,1653.54 to 0,0 on Top Assembly
-196.85,1417.32 to 2362.21,1653.54 on Top Assembly